# Altium PCB Allwinner_A13_BRD.PcbDoc (part 5 of 5) (continued)
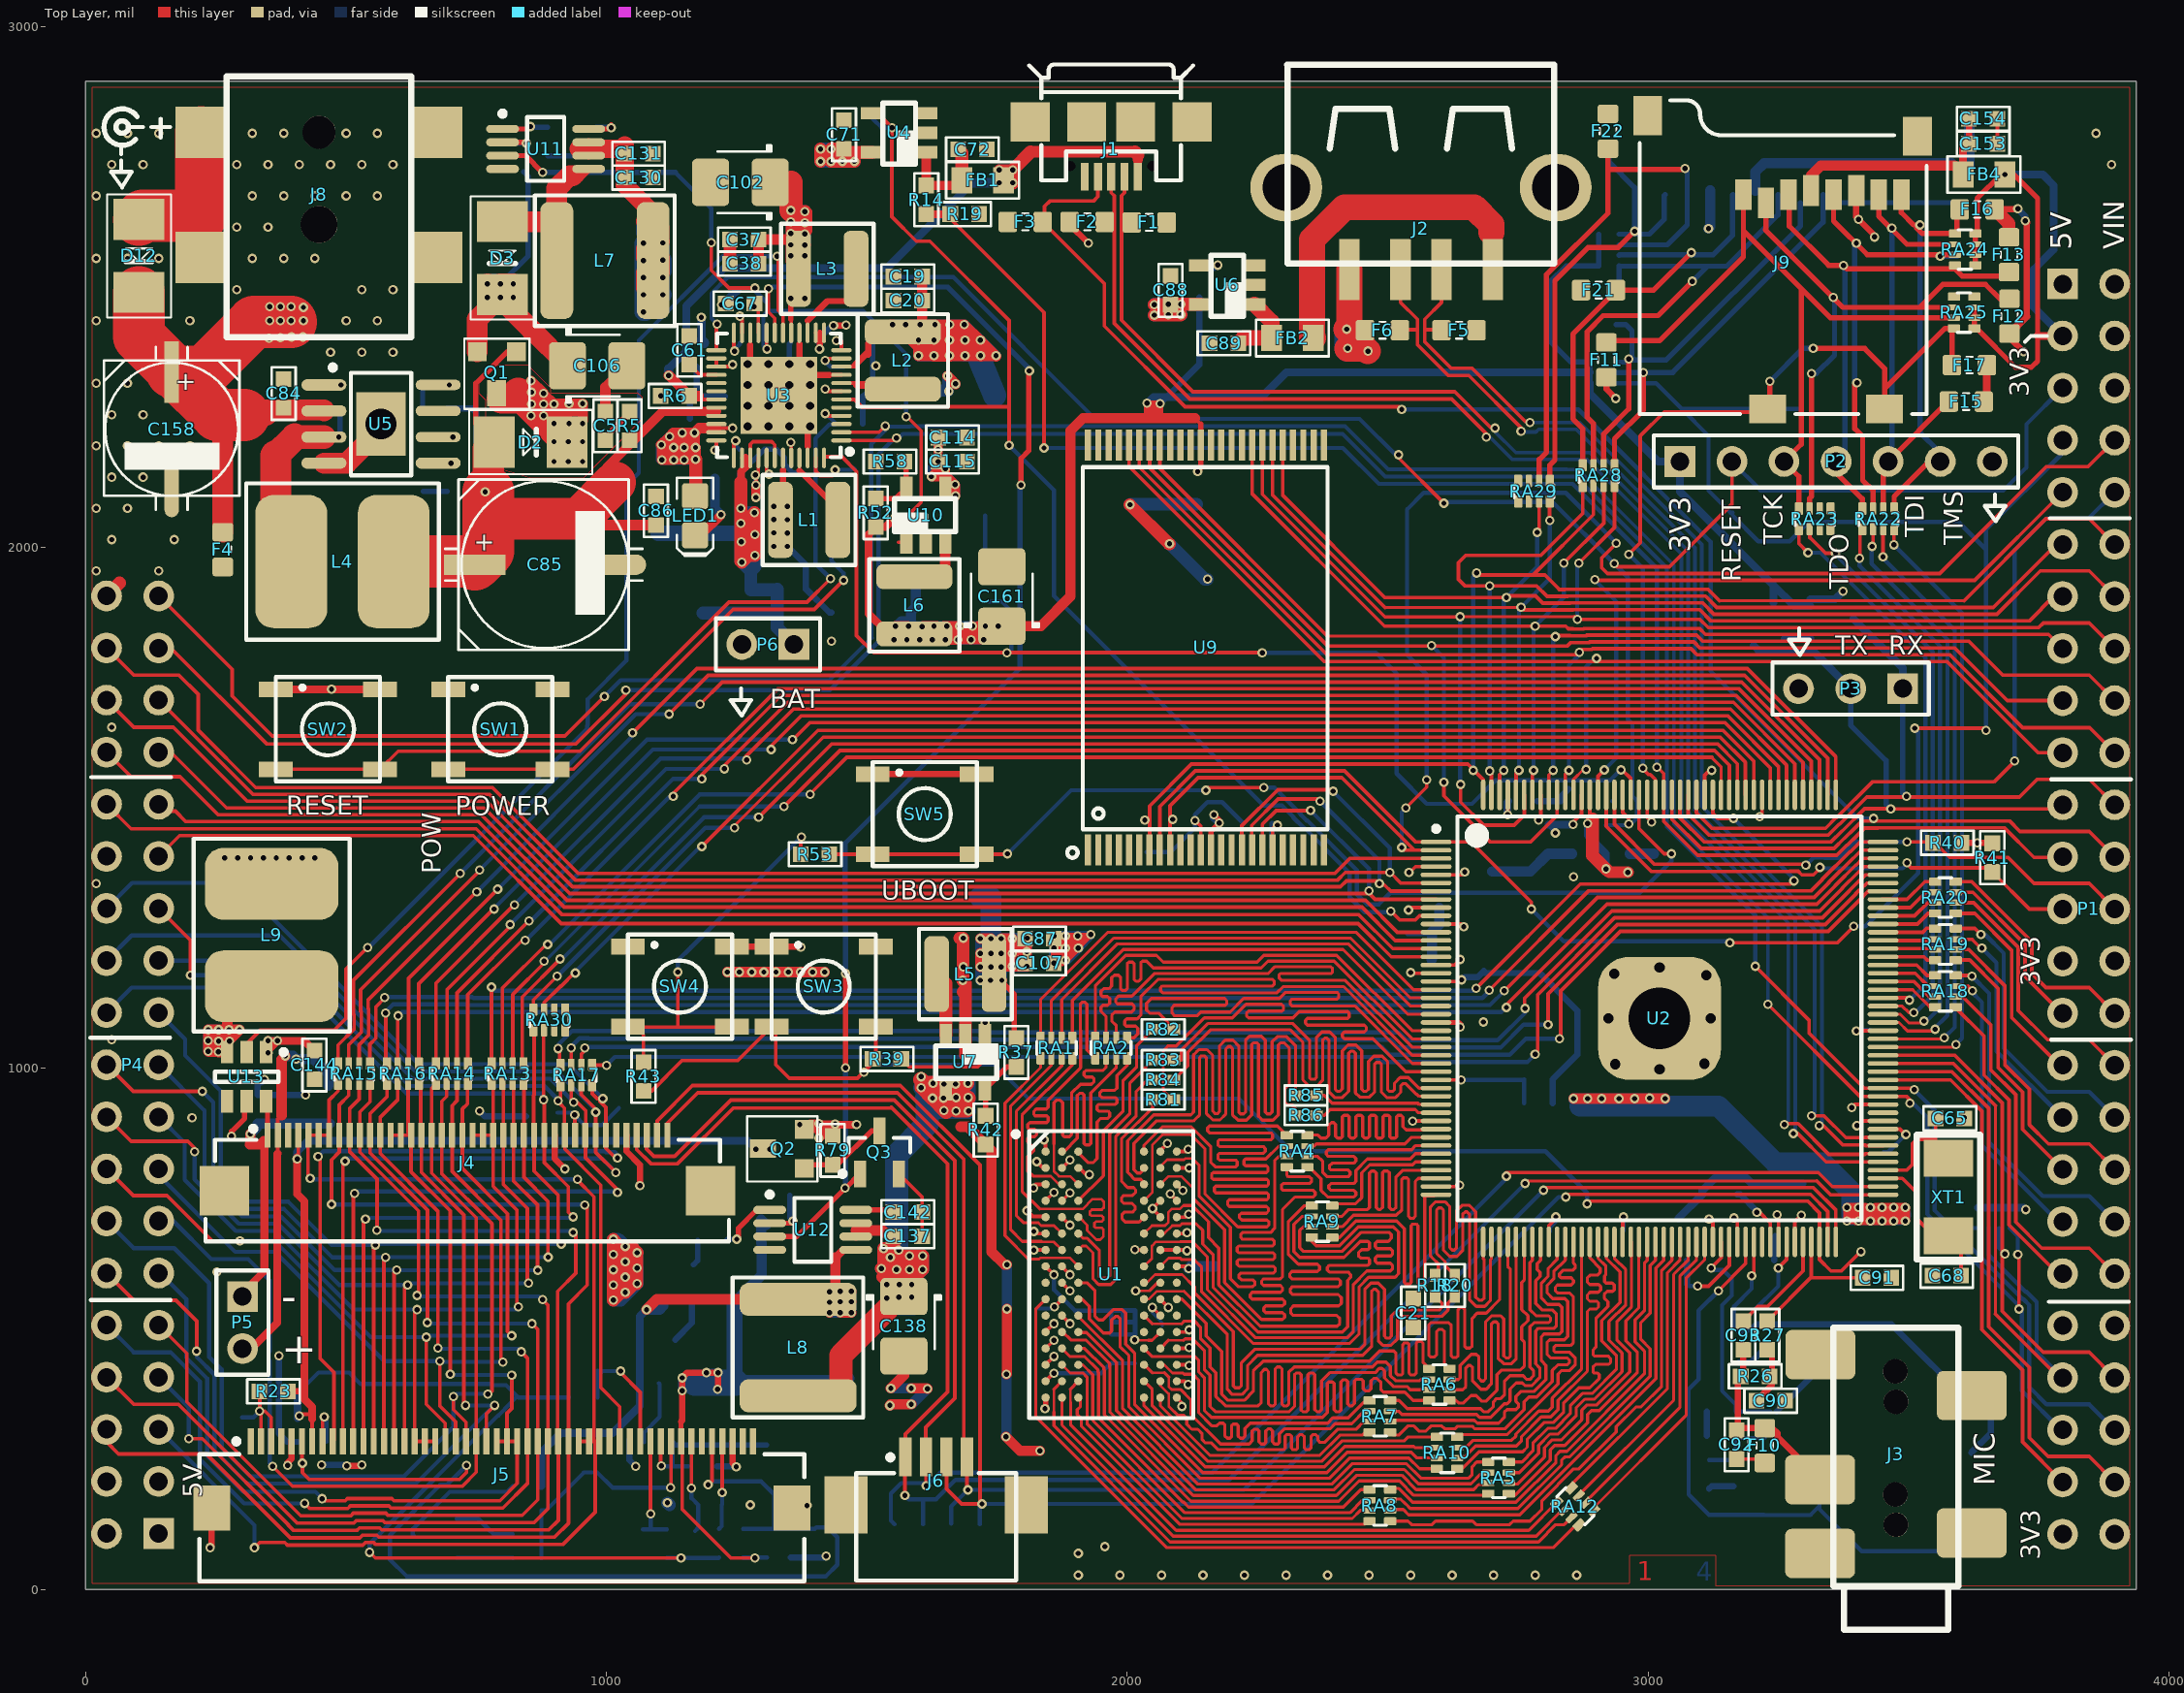
[diagram p0: Top Layer view]
## Nets (pads, with @x,y where several pads share a name; then routed paths per layer and width w, separated by ;. In a path a pad name is that pad's centre, name@x,y a point inside that pad or via, vN(x,y) a via of type N, cw(c..) or ccw(c..) an arc to the next point about the centre after c; other vN are vias at no path point) (continued)
  Top Layer w15: R14.2@1614,2640 R19.1@1654,2640
  Bottom Layer w8: v1(1840,2191) 2414,2191 2483,2122 2854.87,2122 3017,1959.87 v1(3017,1578)
PG2: F3.2 J1.4 P1.24 U2.153 | length 3413.7
  Top Layer w7: J1.4@1943.41,2711.69 1943.41,2673.41 1935,2665 1851,2665 1841,2655 1841,2628.54 F3.2@1837.46,2625 1956,2506.46 1956,2425 2111,2270 2522,2270 v1(2527,2265) ; U2.153@3045.62,1525.13 3045.62,1478.29 3101.91,1422 3356.95,1422 3377.13,1442.18 3377.84,1442.18 3396.24,1460.58 3396.32,1460.58 3410.74,1475 3694,1475 3714,1455 3847,1455 P1.24@3896,1406
  Bottom Layer w8: v1(2527,2265) 2866,2265 3120,2011 3120,1763 3403,1480 v1(3433,1480)
PH: C82.1 L4.1 U5.3 | length 391.4
  Top Layer w45: 401,2212 U5.3@457.35,2212
  Top Layer w52: 365,2176 401,2212
  Top Layer w60: 365,2176 365,1992.57 L4.1@399.57,1958
  Bottom Layer w10: v1(486,2212) 488,2214 C82.1@488,2263
PIN2: U3.5
PIN3: U3.3
PWRON: R12.1 SW1.2 | length 1043.2
  Top Layer w7: SW1.2@696,1574.23 SW1.2@896,1574.23 ; 929.61,1574.23 936.23,1574.23 1243,1881 1399,1881 v1(1455,1937)
  Bottom Layer w8: R12.1@1432,2095 1432,1974 1455,1951 v1(1455,1937)
RESET_N: C70.2 C74.2 P1.5 P2.2 R13.2 U2.159 U3.25 | length 3873.8
  Top Layer w7: U3.25@1210.92,2378.61 1210.92,2427.92 v1(1212,2429) ; v1(2521,2178) 2521,2172 v1(2608,2085) ; v1(2935,1969) 2941,1963 3041,1963 3161,2083 P2.2@3161,2165 ; U2.159@2951.13,1525.13 2951.13,1490.87 2963,1479 v1(2963,1469)
  Bottom Layer w8: v1(1212,2429) 1201.5,2439.5 1201.5,2487.64 1232.86,2519 1666,2519 1938,2247 2446,2247 v1@2517,2176 ; v1(2608,2085) 2610,2087 2817,2087 v1(2935,1969) 2961,1943 2961,1670 2970,1661 2970,1523 C70.2@2979,1514 ; R13.2@2919,1467 2961,1467 v1(2963,1469) 2967,1469 2979,1481 C70.2@2979,1514 ; C70.2@2978,1513 C70.2@2979,1514 ; P2.2@3161,2165 3216,2110 3216,2109 3682,2109 3726.5,2153.5 3726.5,2236.5 P1.5@3796,2306
RESET_SW: R15.2 SW2.2 U3.4 | length 1611.8
  Top Layer w7: SW2.2@365,1574.23 SW2.2@565,1574.23 599.77,1609 949,1609 1235,1895 1385,1895 v1(1430,1940) ; v1@1419,2259 1425.37,2252.63 U3.4@1451.08,2252.63
  Bottom Layer w8: v1@1419,2259 R15.2@1440.5,2237.5 ; v1(1430,1940) 1401,1969 1401,2209 1428,2236 R15.2@1439,2236
  other v1: 1420,2257
SD1: F18.1 J10.1 RA27.7 RA28.1 | length 1052.8
  Top Layer w10: RA28.1@2935.51,2157.69 2935.51,2208.3 2991,2263.79 v1(2991,2336)
  Bottom Layer w10: 2939.69,2336.16 2939.84,2336 v1(2991,2336) 3047.42,2336 3335.97,2624.55 J10.1@3335.97,2677.26 3351.23,2662 3598.54,2662 F18.1@3598.54,2648
SD2: F19.1 J10.2 RA27.6 RA28.2 | length 809.6
  Top Layer w10: RA28.2@2914.84,2157.69 2914.84,2217.84 2963,2266 v1(2963,2362)
  Bottom Layer w10: F19.1@2938.46,2428 2957,2428 2969,2416 2969,2365 2972,2362 ; 2939.69,2355.84 v1@2963,2355.84 ; 2972,2360 3035,2360 3292.66,2617.66 J10.2@3292.66,2661.51
SD3: F20.1 J10.3 RA26.8 RA28.3 | length 977.5
  Top Layer w10: RA28.3@2895.16,2157.69 2895.16,2237.84 2883,2250 2883,2414.37 2913.63,2445 3019,2445 v1(3085,2511)
  Bottom Layer w10: F20.1@2938.46,2494 2944.69,2500.22 2944.69,2540.49 2945.17,2540 3112,2540 ; v1(3085,2511) 3112,2538 3112,2540 ; J10.3@3249.35,2677.26 3249.35,2638.35 3151,2540 3112,2540
SD4: F21.1 J10.5 RA26.7 RA28.4 | length 863.3
  Top Layer w10: RA28.4@2874.49,2157.69 2874.49,2228.27 2855.76,2247 2855.76,2409.76 2940,2494 3011,2494 v1(3083,2566)
  Bottom Layer w10: RA26.7@2944.69,2561.16 2945.53,2562 3125,2562 3162,2599 3162,2676.52 J10.5@3162.74,2677.26
SD5: F22.1 J10.7 RA26.6 RA29.2 | length 1097.6
  Top Layer w10: RA29.2@2790.84,2127.69 2790.84,2168.84 2805,2183 2805,2523.94 2923,2641.94 2923,2726 ; F22.1@2923,2765.54 2923,2726 ; v1(3070.75,2727.67) 3069.07,2726 2923,2726
  Bottom Layer w10: RA26.6@2944.69,2580.84 3036.84,2580.84 3075,2619 3075,2723.42 v1(3070.75,2727.67)
SD6: F23.1 J10.8 RA26.5 RA29.1 | length 907.6
  Top Layer w10: RA29.1@2811.51,2127.69 2811.51,2158.51 2821,2168 2821,2512 2885,2576 2943,2576 v1(2974,2607)
  Bottom Layer w10: F23.1@2925,2767.54 2925,2740 2974,2691 v1(2974,2607) ; RA26.5@2944.69,2601.51 3002.51,2601.51 3031,2630 3031,2675.44 J10.8@3032.82,2677.26
SD_VCC: C153.1 C154.2 FB4.2 J9.4 | length 440.8
  Top Layer w12: C153.1@3616,2782 C154.2@3616,2832
  Top Layer w15: FB4.2@3589,2732 3605,2732 C153.1@3605,2771
  Top Layer w20: J9.4@3312.95,2685.13 3312.95,2713.95 3332,2733 3588,2733 3589,2732 FB4.2@3605,2716
SDC0_CLK: F14.1 J9.5 RA22.3 RA24.7 | length 882.4
  Top Layer w10: J9.5@3356.26,2677.26 3356.26,2626.74 3420.84,2562.16 RA24.7@3589.31,2562.16 RA24.7@3593.31,2562.16 ; v1(3401,2316) 3397,2312 3397,2228 3412,2213 3412,2129 3432.16,2108.84 RA22.3@3432.16,2074.69
  Bottom Layer w10: v1(3400,2584) 3397,2581 3397,2320 v1(3401,2316) ; v1(3561,2559) 3593.54,2559 F14.1@3598.54,2564
SDC0_CMD: F13.1 J9.3 P2.4 RA22.4 RA24.8 | length 996.5
  Top Layer w10: J9.3@3269.65,2677.26 3271,2675.91 3271,2617 3346.51,2541.49 v1(3375,2541.49) 3381.8,2534.69 3589.31,2534.69 3603,2521 3685.46,2521 F13.1@3693,2528.54 ; P2.4@3364,2141 3411.49,2093.51 RA22.4@3411.49,2074.69
  Bottom Layer w10: P2.4@3361,2165 3378,2182 3378,2538.49 v1(3375,2541.49)
SDC0_D0: F15.1 J9.7 P2.5 RA22.2 RA24.6 | length 935.5
  Top Layer w10: P2.5@3437,2162 3451.84,2147.16 RA22.2@3451.84,2074.69 ; J9.7@3442.87,2677.26 3442.87,2636.13 3497.16,2581.84 RA24.6@3593.31,2581.84 ; P2.5@3461,2165 3576,2280 F15.1@3577.54,2280
  Bottom Layer w10: P2.5@3437,2162 3468,2193 v1(3468,2613)
SDC0_D1: F16.1 J9.8 P2.6 RA22.1 RA24.5 | length 805.9
  Top Layer w10: RA22.1@3472.51,2074.69 3472.51,2097.51 P2.6@3537,2162 ; J9.8@3486.18,2677.26 3486.18,2642.82 3510,2619 v1(3522,2619) ; v1@3516,2613 3526.49,2602.51 RA24.5@3589.31,2602.51 3593.31,2602.51 3593.31,2643.78 F16.1@3598.54,2649
  Bottom Layer w10: v1(3522,2619) 3522,2221 3559,2184 P2.6@3537,2162
SDC0_D2: F11.1 J9.1 P2.3 RA23.4 RA25.7 | length 1352.3
  Top Layer w10: F11.1@2936.46,2397 3022,2397 3183,2558 J9.1@3183,2677.23 ; 3183,2608 3294,2497 3294,2198 P2.3@3261,2165 3289.49,2136.51 RA23.4@3289.49,2074.69 ; 3295,2496 3349.84,2441.16 RA25.7@3587.31,2441.16
SDC0_D3: F12.1 J9.2 RA23.3 RA25.6 | length 1109.4
  Top Layer w10: J9.2@3226.34,2661.51 3226.34,2611.34 3225,2610 3374.16,2460.84 3521.84,2460.84 ; RA23.3@3310.16,2074.69 3310,2074.84 3310,2094 3314,2098 v1(3314,2334) ; RA25.6@3587.31,2460.84 3521.84,2460.84 ; F12.1@3694,2477.46 3675.54,2477.46 3648,2505 3566,2505 3521.84,2460.84
  Bottom Layer w10: v1(3314,2334) 3323,2334 3358,2369 3358,2478 v1(3356,2480)
SDC0_DETECT: F17.1 J9.9 J9.10 RA25.8 U2.155 | length 1632.6
  Top Layer w7: v1(2963,1987) 2985,2009 2985,2214 3031,2260 3224.04,2260 J9.10@3229.88,2265.84 ; v1@2992.27,1576 2992.27,1572.73 3000.84,1564.16 3004.11,1564.16 3014.13,1554.14 U2.155@3014.13,1525.13
  Top Layer w10: J9.10@3229.88,2265.84 3234,2269.96 v1(3234,2319) ; v1(3317,2382) 3416,2382 3454.29,2343.71 3454.29,2304.46 ; J9.9@3454.29,2265.84 3454.29,2304.46 ; F17.1@3583.54,2352 3583.54,2416.71 RA25.8@3587.31,2420.49 3570.31,2420.49 3454.29,2304.46
  Bottom Layer w8: v1(2963,1987) 2990,1960 v1(2990,1576)
  Bottom Layer w10: v1(3234,2319) 3297,2382 v1(3317,2382)
SPI1_CLK/UART3_RX: P4.29 U2.13 | length 2561.1
  Top Layer w7: P4.29@140,1507 153,1494 172,1494 192,1474 754.08,1474 918.6,1309.47 2450.53,1309.47 2514.39,1245.61 U2.13@2592.87,1245.61
SPI1_CS0/UART3_TX: P4.32 U2.12 | length 2696
  Top Layer w7: P4.32@40,1607 87,1560 181,1560 254,1487 759.46,1487 923.99,1322.47 2457.53,1322.47 2518.65,1261.35 U2.12@2592.87,1261.35
SPI1_MISO: P4.27 U2.15 | length 2565.9
  Top Layer w7: P4.27@140,1407 180,1447 744.31,1447 913.31,1278 2443,1278 2506.89,1214.11 U2.15@2592.87,1214.11
SPI1_MOSI: P4.30 U2.14 | length 2667.7
  Top Layer w7: P4.30@40,1507 87,1460 749.69,1460 914.69,1295 2444.38,1295 2509.53,1229.86 U2.14@2592.87,1229.86
SVREF: C33.1 C55.2 C81.2 R7.1 R9.1 U2.18 | length 510.9
  Top Layer w7: U2.18@2592.87,1166.87 2638.87,1166.87 v1(2642,1170)
  Bottom Layer w12: v1(2642,1170) 2647,1175 2673,1175 C81.2@2681,1183 ; C81.2@2685,1187 C81.2@2681,1183 ; R7.1@2817,933 2816.82,933.18 2816.82,979.03 2864,1026.21 2864,1111 2792,1183 C81.2@2681,1183
TPX1: C100.2 J4.37 J6.1 U2.89 | length 3592.3
  Top Layer w6: v1@2765,784 3324,784
  Top Layer w7: J4.37@1057.8,871.62 1057.8,844.4 1085.2,817 1136.38,817 1243.38,924 1545.85,924 1546.85,925 1655,816.85 1655,379 1573.94,297.94 J6.1@1573.94,254.4 1573,253.46 v1(1573,180) ; v1(2764,779) 2765,780 v1@2765,784 ; 3324,784 3350.58,757.42 U2.89@3451.13,757.42
  Bottom Layer w8: v1(1573,180) 1580,173 1606,173 ; C100.2@1607.61,125 1607.61,171.39 1606,173 ; v1(2764,779) 2195,210 1670,210 1633,173 1606,173
TPX2: C103.2 J4.39 J6.3 U2.87 | length 3516.2
  Top Layer w6: v1@2844,758 3312,758
  Top Layer w7: J4.39@1097.17,871.62 1097.17,899.17 1165,967 1564.24,967 1717,814.24 1717,168 v1(1721,164) 1682,164 1653,193 1653,254.09 J6.3@1652.69,254.4 ; v1@2844,757.83 v1@2844,758 ; 3312,758 3344.83,725.17 U2.87@3344.83,666.87
  Top Layer w8: v1(2842,753) ccw(c2837.17,757.83) v1@2844,757.83
  Bottom Layer w8: C103.2@1716.82,124.97 1716.82,159.82 v1(1721,164) 2239,164 2828,753 v1(2842,753)
TPY1: C101.2 J4.38 J6.2 U2.90 | length 3608.7
  Top Layer w7: J4.38@1077.49,871.62 1077,871.14 1077,845 1091,831 1130.59,831 1238.59,939 1552.64,939 1669,822.64 1669,367 1613,311 1613,254.72 J6.2@1613.31,254.4 1614,253.72 v1(1614,199) ; v1(2728,793) 2728,800 3327,800 3353.83,773.17 U2.90@3451.13,773.17
  Bottom Layer w8: C101.2@1553,125 1546,132 1546,184 1566,204 1609,204 v1(1614,199) 1616,199 1641,224 2163,224 2728,789 v1(2728,793)
TPY2: C108.2 J4.40 J6.4 U2.88 | length 3372.1
  Top Layer w6: v1@2802,771 3317.38,771
  Top Layer w7: J4.40@1116.86,871.62 1116.86,894.86 1175,953 1558.44,953 1686,825.44 1686,260.46 J6.4@1692.06,254.4 1692.06,192.94 v1(1694,191) ; v1(2799,766) 2802,769 v1@2802,771 ; 3317.38,771 3360.58,727.8 U2.88@3360.58,666.87
  Bottom Layer w8: C108.2@1662,126 1662,159 v1(1694,191) 2224,191 v1(2799,766)
TWI0_SCK: P1.45 P4.37 RA3.5 U2.101 U3.2 | length 5917
  Top Layer w7: P4.37@140,1907 281,1766 281,1715 358,1638 920,1638 v1(996,1714) ; U3.2@1451.08,2221.13 1523.13,2221.13 v1(1535,2233) ; v1(3230,1123) 3406.61,946.39 U2.101@3451.13,946.39 3495.61,946.39 3503,939 v1(3503,933) ; v1(3710,643) 3712,641 v1(3712,538)
  Bottom Layer w7: 2844,2150 2844.5,2149.5 2866.26,2149.5 3049.5,1966.26 3049.5,1469.59 ; 3050.5,1468.59 3230,1289.09 v1(3230,1123)
  Bottom Layer w8: v1(996,1714) 1027,1745 1428,1745 1509,1826 1508,1827 1508,2198 1535,2225 v1(1535,2233) 1536,2232 1582.87,2232 1583.87,2233 2418,2233 2501,2150 2844,2150 ; v1(3503,933) 3509,933 3536,906 3536,720.42 3716.59,539.83 v1@3718,539.83 ; RA3.5@3694.51,693.31 3710,677.83 v1(3710,643) ; v1(3712,538) 3716.17,538 v1@3718,539.83 ; P1.45@3796,306 3793,306 3718,381 v1@3718,539.83
TWI0_SDA: P1.46 P4.35 RA3.8 U2.102 U3.1 | length 5817.6
  Top Layer w7: P4.35@140,1807 163,1807 347,1623 941.62,1623 1037,1718.38 v1(1037,1726) ; U3.1@1451.08,2205.39 1558.39,2205.39 1557,2206.77 v1(1557,2210) ; v1(3206,1196) 3309,1093 3309,1068 3414.86,962.14 U2.102@3451.13,962.14 3507.86,962.14 v1(3511,959)
  Bottom Layer w8: v1(1037,1726) 1428.8,1726 1523,1820.2 1523,1831.8 1522,1832.8 1522,2179 1551,2208 1561,2208 1560,2209 1569,2218 2413.2,2218 2495.2,2136 2860.67,2136 3036,1960.67 3036,1464 3206,1294 v1(3206,1196) ; v1(3511,959) 3550,920 3550,727.63 3587.61,690.02 3587.61,688.61 ; RA3.8@3633.49,693.31 3592.31,693.31 3587.61,688.61 ; P1.46@3896,306 3847,355 3765.38,355 3732,388.38 3732,545.63 3720.63,557 3719.22,557 3587.61,688.61
TWI1_SCK: P1.43 RA3.7 U2.105 | length 1176.6
  Top Layer w6: 3667,528.42 3667,928.5
  Top Layer w7: U2.105@3451.52,1009 U2.105@3451.13,1009.39 3586.11,1009.39 3667,928.5 ; 3667,528.42 3789.42,406 P1.43@3796,406
  Bottom Layer w8: RA3.7@3654.16,693.31 3654.16,641.86 3725.02,571 3726.43,571 3746,551.43 3746,456 P1.43@3796,406
TWI1_SDA: P1.44 RA3.6 U2.106 | length 989.6
  Top Layer w7: U2.106@3451.13,1025.13 3588.75,1025.13 3680,933.88 3680,533.81 3758.81,455 3847,455 P1.44@3896,406
  Bottom Layer w8: RA3.6@3673.84,693.31 3673.84,655.16 v1(3685,644)
TWI2_SCK: P1.25 R41.1 U2.161 | length 1029.1
  Top Layer w7: U2.161@2919.64,1525.13 2919.64,1464.56 3006.2,1378 3271.84,1378 3272.34,1378.5 3288.34,1378.5 3295.34,1371.5 3317.5,1371.5 3330,1384 v1(3330,1386) ; v1(3497,1395) 3497,1393 3505,1385 3653,1385 R41.1@3661,1377 3732,1306 P1.25@3796,1306
  Bottom Layer w8: v1(3330,1386) 3332,1384 3489,1384 3498,1393 3497,1394 v1(3497,1395)
TWI2_SDA: P1.26 R40.1 U2.160 | length 1124.8
  Top Layer w7: U2.160@2935.39,1525.13 2935.39,1468.61 3012,1392 v1@3301,1392 ; v1@3302,1391 v1(3303,1390) ; v1(3497,1435) 3549,1435 R40.1@3551,1437 ; R40.1@3551,1435 3551,1433 3579,1405 3691,1405 3741,1355 3847,1355 P1.26@3896,1306
  Bottom Layer w8: v1(3303,1390) 3318,1405 3337.87,1405 3338.87,1404 3366,1404 3399,1437 3401,1435 v1(3497,1435)
UART1_RX: D10.3 P1.22 P3.1 U2.151 | length 1320.4
  Top Layer w7: U2.151@3077.12,1525.13 3077.12,1487.88 3117,1448 3346.19,1448 3366.36,1468.18 3367.07,1468.18 3419.89,1521 3713,1521 3747,1555 3847,1555 P1.22@3896,1506
  Bottom Layer w10: P3.1@3489,1729 3489,1529 v1(3496,1522)
  Bottom Layer w15: D10.3@3394.34,1863 3489,1768.34 P3.1@3489,1729
UART1_TX: D11.3 P1.21 P3.2 U2.152 | length 1310.8
  Top Layer w7: U2.152@3061.37,1525.13 3061.37,1480.93 3107.3,1435 3351.57,1435 3371.75,1455.18 3372.45,1455.18 3415.78,1498.5 3465.5,1498.5 v1(3466,1498) 3788,1498 P1.21@3796,1506
  Bottom Layer w10: P3.2@3389,1729 3389,1659 3457,1591 3457,1507 v1(3466,1498)
  Bottom Layer w15: D11.3@3203,1811.66 3216.66,1798 3320,1798 P3.2@3389,1729
UBOOT: R53.1 SW5.2 U2.157 | length 1986.1
  Top Layer w7: R53.1@1428,1411 1428.23,1411.23 SW5.2@1511,1411.23 SW5.2@1711,1411.23 1769.23,1411.23 v1(1770,1412) ; v1(2151,1534) 2156,1539 v1(2262,1539) ; U2.157@2982.63,1525.13 2982.63,1460.37 3031,1412 v1(3045,1412)
  Bottom Layer w8: v1(1770,1412) 1892,1534 v1(2151,1534) ; v1(2262,1539) 2282.41,1539 2333,1488.41 2333,1487.13 2344.13,1476 2345.41,1476 2441,1380.41 2441,1334.41 2460.41,1315 2483,1315 2505,1337 2984,1337 3045,1398 v1(3045,1412)
USB0: F2.2 J1.3 U2.94 | length 2961.4
  Top Layer w7: J1.3@1969,2711.69 1969,2681.11 1974.8,2675.31 1974.8,2430.41 2120.2,2285 2623,2285 2689.06,2218.94 v1(2689.06,2212.06) ; v1(3262,892) 3264.03,894.03 3287.97,894.03 3347.1,834.9 3416.35,834.9 3417.61,836.16 U2.94@3451.13,836.16
  Bottom Layer w7: v1@2687.72,2215.1 2693.1,2215.1 2739.2,2169 2882.72,2169 3064,1987.72 3064,1484.38 3269,1279.38 3269,899 v1(3262,892)
USB0-DRV: R17.2 U2.10 U3.6 U4.4 | length 2492.4
  Top Layer w7: U3.6@1451.08,2284.13 1475.87,2284.13 1491,2269 1566.13,2269 1567.13,2270 1772,2270 1773,2269 ; U4.4@1510.03,2833.4 1520.6,2833.4 v1(1548,2806) 1548,2635 1595,2588 1621,2588 1773,2436 1773,2199 1776,2196 v1(1773,2196) ; v1(2506,1302) 2523,1285 2553,1285 2560.85,1292.85 U2.10@2592.87,1292.85
  Bottom Layer w8: R17.2@1512,2822 1528,2806 v1(1548,2806) ; v1(1773,2196) 1859,2110 1859,1907 2261.5,1504.5 2297.12,1504.5 2319,1482.62 2319,1481.33 2338.33,1462 2339.62,1462 2427,1374.62 2427,1328.62 2455.62,1300 2504,1300 v1(2506,1302)
USB0_N: F1.2 J1.2 U2.93 | length 2943.2
  Top Layer w7: J1.2@1994.59,2711.69 1994.59,2681.11 1988.8,2675.31 1988.8,2436.2 2126,2299 2628.8,2299 2696.73,2231.06 ; v1(3278.97,875.03) 3287.17,875.03 3341.79,820.41 U2.93@3451.13,820.41
  Bottom Layer w7: v1(2706.04,2229.04) 2706.04,2221.96 2746,2182 2888.11,2182 3077,1993.11 3077,1491.18 3089.48,1478.71 3089.48,1478 3282.71,1284.77 3282.71,878.77 v1(3278.97,875.03)
USB1: F6.2 J2.3 U2.96 | length 2237.7
  Top Layer w7: F6.2@2523.46,2417 2524.46,2418 2557,2418 ; J2.3@2524.63,2533.52 2524.63,2470.46 2557,2438.09 2557,2418 ; v1(2756,2223) 2756,2230 2656,2330 2616.2,2330 2557,2389.2 2557,2418 ; v1(3314,909) 3337.8,909 3379.8,867 3416.95,867 3417.61,867.65 U2.96@3451.13,867.65
  Bottom Layer w7: v1(2756,2223) 2757.53,2221.47 2784.47,2221.47 2790,2227 2862.2,2227 3090,1999.2 3090,1496.57 3320,1266.57 3320,915 v1(3314,909)
USB1_N: F5.2 J2.2 U2.95 | length 2219.4
  Top Layer w7: J2.2@2603.37,2533.52 2603.37,2470.46 2571,2438.09 2571,2418 ; F5.2@2603.54,2417 2602.54,2418 2571,2418 ; 2763.8,2242 2661.8,2344 2622,2344 2571,2395 2571,2418 ; v1(3329,890) 3337,890 3374,853 3416.51,853 3417.61,851.91 U2.95@3451.13,851.91
  Bottom Layer w7: v1(2772.97,2239.97) 2784.59,2239.97 ; 2784.62,2240 2869,2240 3103,2006 3103,1503.37 3333.71,1272.66 3333.71,894.71 v1(3329,890)
VBAT: C6.2 C10.1 C157.2 P6.1 R4.2 U3.38 U3.39 U3.42 | length 1546.8
  Top Layer w7: U3.38@1260.13,2171.92 1267,2171.92 U3.39@1275.88,2171.92 1276,2172.04 1276,2198 1281,2203 1317,2203 1323.13,2196.87 U3.42@1323.13,2171.92
  Top Layer w15: 1258,2125 1258,2145.13 1267,2154.13 1267,2171.92
  Top Layer w25: 1258,2125 v1(1258,2075) v1(1258,2046) ; v1(1259,2011) 1271,2011 ; v1(1285,1985) 1273,1985 ; v1(1285,2025) v1@1284,2024 ; v1(1258,2046) v1@1263,2046 ; v1(1258,2046) 1258,1974 v1(1260,1972) 1273,1985 ; v1@1263,2046 v1(1284,2067) v1@1284,2024 ; v1@1263,2046 1263,2019 1271,2011 ; 1271,2011 v1@1284,2024 ; 1273,1985 1284,1996 v1@1284,2024
  Bottom Layer w25: C157.2@1185,1874 1321,1874 1328,1881 ; v1(1259,2011) v1@1284,1986 ; P6.1@1360,1814 1328,1846 1328,1881 ; v1(1258,2046) 1277,2027 1279,2025 v1@1284,2025 ; v1(1258,2046) 1258,2027 1258,1974 v1(1260,1972) ; v1(1258,2046) v1(1258,2075) 1266,2067 ; v1(1260,1972) 1277,1955 ; v1(1260,1972) 1276,1972 1285,1963 ; 1266,2067 v1(1284,2067) 1284,2049 ; 1266,2067 1284,2049 ; 1277,1955 C10.1@1277,1919 1327,1919 C6.2@1328,1920 1328,1881 ; 1277,1955 1285,1963 ; v1@1284,1986 v1(1285,1985) ; v1@1284,1986 v1@1284,2025 ; v1@1284,2025 v1(1285,2025) ; v1@1284,2025 1284,2026 1284,2049 ; 1284,2049 1285,2048 v1(1285,2025) ; 1285,1963 v1(1285,1985) ; v1(1285,1985) v1(1285,2025)
  Bottom Layer w30: R4.2@1099,2027 1258,2027 1277,2027 1283,2027 1284,2026 v1(1285,2025)
VDD_RTC: C61.1 U3.28 | length 60.1
  Top Layer w7: C61.1@1159,2351 1178.63,2331.37 U3.28@1210.92,2331.37
VGH: C148.2 D7.A J5.41 R72.2 R73.1 | length 328.7
  Top Layer w7: J5.41@1104.12,283.98 1104.12,237.88 v1(1105,237)
  Bottom Layer w8: v1(1105,237) 1106,236 C148.2@1111,236 1126,236 ; R72.2@1127,282 1127,237 1126,236 ; R73.1@1157,236 1126,236
  Bottom Layer w10: R72.2@1127,282 1132,277 D7.A@1307.45,277
VGL: C152.2 D9.A J5.42 R74.2 R78.1 | length 457.6
  Top Layer w7: v1(1123,195) 1123.8,195.8 J5.42@1123.8,283.98
  Bottom Layer w8: R78.1@875,60 R74.2@875,106 C152.2@875,152 884,152 956.55,224.55 D9.A@972,224.55 ; D9.A@982,224.55 D9.A@1011.55,195 ; D9.A@1015.55,195 v1(1123,195)
VINT: C56.2 U3.26 U3.27 | length 48.4
  Top Layer w7: U3.26@1210.92,2362.87 U3.27@1210.92,2347.12 1238.12,2347.12 v1(1242,2351)
VSENSE: R29.1 R33.2 U5.5 | length 51.4
  Bottom Layer w10: R29.1@648,2163 R33.2@692,2163 ; R33.2@694,2161 700,2161 v1(701,2162)
pads on no net: C69.0 C102.0 C106.0 C112.0 C133.0 C134.0 C138.0 C161.0 F1.0 F2.0 F3.0 F4.0 F5.0 F6.0 F7.0 F8.0 F9.0 F10.0 F11.0 F12.0 F13.0 F14.0 F15.0 F16.0 F17.0 F18.0 F19.0 F20.0 F21.0 F22.0 F23.0 F24.0 J1.10 J1.11 J3.2 J3.4 J3.6 J3.7 J4.35 J5.1 J5.4 J5.45 J5.49 J5.50 J6.MH1 J6.MH2 J7.4 J7.6 J7.7 J8.5 J8.6 LED1.0 P4.28 P4.38 RA1.0 RA2.0 RA3.0 RA4.0 RA5.0 RA6.0 RA7.0 RA8.0 RA9.0 RA10.0 RA12.0 RA13.0 RA14.0 RA15.0 RA16.0 RA17.0 RA18.0 RA19.0 RA20.0 RA22.0 RA23.0 RA23.1 RA23.2 RA23.7 RA23.8 RA24.0 RA25.0 RA25.4 RA25.5 RA26.0 RA27.0 RA27.4 RA27.5 RA28.0 RA29.0 RA29.3 RA29.4 RA29.5 RA29.6 RA30.0 RA30.1 RA30.2 RA30.7 RA30.8 U1.J1 U1.J9 U1.L1 U1.L9 U1.M7 U2.99 U3.29 U3.30 U4.3 U5.7 U6.3 U9.1 U9.2 U9.3 U9.4 U9.5 U9.6 U9.10 U9.11 U9.14 U9.15 U9.20 U9.21 U9.22 U9.23 U9.24 U9.25 U9.26 U9.27 U9.28 U9.33 U9.34 U9.35 U9.38 U9.39 U9.40 U9.45 U9.46 U9.47 U9.48

## Polygon pours and split planes (outlines as drawn)
GND on gnd "Top Layer-No Net" (solid, pour order 102): 24,2883 3921,2883 3921,20 3128,20 3128,66 2966,66 2966,20 24,20
3.3V on power "Top Layer-No Net" (solid, pour order 109): 1460.15,2064.85 1881.59,2061 2483,1442 2483,1214 2526,1171 2529,1168 2614,1168 2671,1168 2676,1173 2676,1285.7 2676,1294 2795,1413 3038,1413 3038,1516 3240,1516 3267,1489 3267,1226 3046.73,923.27 2724,923.27 2655,1099 2500,1099 2196.79,1379 1693.38,1377.38 1628,1312 1628,1090.75 1556.25,1090.75 1514.75,1049.25 1514.75,878 1481,844.25 1377.25,844.25 1343.5,878 1343.5,1036.5 1100.29,1279.71 1100.29,1705
1.2V_CPU on power "Top Layer-No Net" (solid, pour order 107): 1504,2397 1504,2422 1526,2444 1529,2447 1818,2447 2025.87,2239.13 2028,2237 2633,2237 3038,1832 3038,1532.02 3038,1414 2796,1414 2676,1294 2676,1173 2533,1173 2480,1226 2483,1229 2481.58,1466.42 1902,2046 1727,2046 1763.5,2085.5 1763.5,2184.5 1689,2259 1504,2259
3.3V on power "Top Layer-No Net" (solid, pour order 111): 3259,2007 3259,2337 3329,2407 3332,2410 3500,2410 3500,2454 3907.39,2454 3908.64,15 3127,15 3127,65 2964,65 2964,19 21,19 21,967.5 317.5,967.5 554,731 894,731 1490,515.46 1724.62,515.46 1724.62,386.62 1793,318.25 2197.75,318.25 2529,649.5 3116.5,649.5 3141,674 3141,817 3445,817 3445,907 3354.33,907 3352.5,908.83 3352.5,967.5 3520,1135 3520,1746
1.2V_INT on power "Top Layer-No Net" (solid, pour order 106): 1288,2600 1346,2658 1405,2658 1911,2658 1975,2594 1975,2444 2030,2389 2209,2389 2301,2481 2301,2658 3240,2658 3307.67,2658 3508.37,2410 3325.91,2410 3259,2343.09 3259,2216 3521,1954 3521,1136 3352.5,967.5 3352.5,907 3445,907 3445,817 3141,817 3141,684 3009,684 3009,811 2493,811 2493,923 2749,923 2876,923 3044,923 3267,1226 3267,1489 3240,1516 3038,1516 3038,1829 2630,2237 2073,2237 2028,2237 1825,2440 1818,2447 1335,2447 1288,2494 1288,2598
+5V on power "Top Layer-No Net" (solid, pour order 105): 1010,2211 887,2088 620,2088 620,2615 830,2825 835,2820 2223,2820 3707,2820 3867.5,2659.5 3867.5,2455 3472.39,2455 3305.19,2659.5 2310.82,2659.5 2310.82,2474.18 2223,2386.35 2027.35,2386.35 1973.71,2440 1973.71,2600.71 1914.91,2659.5 1341.33,2659.5 1290,2600.71 1010,2600.71
1.5V on power "Top Layer-No Net" (solid, pour order 112): 2975,811 2986,811 3009,788 3009,664 2998,653 2546,653 2226,333 1788,333 1738,383 1731,390 1731,1085.5 1663.5,1085.5 1631,1118 1631,1312 1665,1346 1694.88,1375.88 2204.7,1375.88 2223.1,1375.88 2499.71,1099.27 2660,1099.27 2724,923 2493,923 2493,811
IPSOUT on power "Top Layer-No Net" (solid, pour order 103): 1010,2603 1303,2603 1303,2466 1336,2433 1461,2433 1486,2433 1502,2417 1504,2415 1504,2257 1691,2257 1747,2201 1747,2063 1688,2063 1435,2063 1101,1729 1101,1230 1245.5,1085.5 1344,992.14 1344,883 1374.43,852.57 1478.43,852.57 1502,876.15 1502,992.14 1502,1068 1522,1088 1731,1088 1731,676 1731,514 1478.48,514 899.56,720 560,720 413,867 316,964 282,964 171,964 171,1991 254,2074 873,2074 1010,2211 1010,2521
+5V on Top Layer "Top Layer-No Net" (solid, remove dead copper, pour order 104): 855,2134 956,2134 992,2170 1069,2247 1069,2283 1069,2288 1060,2297 1059,2296 893,2296 893,2306 849,2350 786,2350 774,2338 754,2318 754,2297 767,2284 767,2237 767,2160
GND on Top Layer "Top Layer-No Net" (solid, pour order 108): 12,2883 12,12 2965,12 2965,66 3130,66 3130,7 3925,7 3925,2883
GND on Bottom Layer "Top Layer-No Net" (solid, pour order 110): 13,2883 3925,2883 3925,7 3125,7 3125,64 2966,64 2966,12 13,12
no net on Bottom Solder "Top Layer-No Net" (solid): 1401,2365 1401,2220 1259,2220 1259,2365 1401,2365
no net on Bottom Solder "Top Layer-No Net" (solid): 3145,1179 3110,1214 2936,1214 2904,1182 2904,1004 2929,979 3114,979 3145,1010

## Other copper
Top Layer:
  text "1" at 2979,17 h36
power:
  text "2" at 3008,16 h36
gnd:
  text "3" at 3053,16 h36
Bottom Layer:
  text "4" at 3092,16 h36

## Silkscreen, mask and mechanical layers (free items; w line width, h text height)
Top Overlay:
  circle w10: c70,2807 r12
  lines w7.5: 48.43,2721 69.74,2691.16 87.86,2721 ; 68,2722 68,2743 ; 68,2755 68,2769 ; 1238.43,1707 1259.74,1677.16 1277.86,1707 ; 1258,1708 1258,1729 ; 3270.43,1823 3291.74,1793.16 3309.86,1823 ; 3290,1824 3290,1845 ; 3646.43,2080 3667.74,2050.16 3685.86,2080 ; 3666,2081 3666,2102
  lines w8: 9,1059 162,1059 ; 10,555 163,555 ; 11,1559 164,1559 ; 48.43,2721 87.86,2721 ; 83,2807 110,2807 ; 126,2807 162,2807 ; 144,2787 144,2823 ; 1238.43,1707 1277.86,1707 ; 3270.43,1823 3309.86,1823 ; 3646.43,2080 3685.86,2080 ; 3724,2395 3735,2406 3765,2406 ; 3770,552 3923,552 ; 3772,2056 3925,2056 ; 3774,1055 3927,1055 ; 3774,1555 3927,1555
  lines w10: 95.9,2783.46 cw(c70,2807) 98.67,2827.07
  text "VIN" at 3914,2572 h40 r90
  text "5V" at 3813,2571 h40 r90
  text "3V3" at 3731,2289 h36 r90
  text "TDI" at 3530,2019 h36 r90
  text "TCK" at 3258,2005 h36 r90
  text "TMS" at 3604,2004 h36 r90
  text "3V3" at 3080.98,1990 h40 r90
  text "RESET" at 3178,1934 h36 r90
  text "TDO" at 3385,1920 h36 r90
  text "TX" at 3359,1794 h36
  text "RX" at 3462,1794 h36
  text "BAT" at 1314,1692 h36
  text "RESET" at 385,1487 h36
  text "POWER" at 710,1486 h36
  text "POW" at 682,1373 h36 r90
  text "UBOOT" at 1528,1324 h36
  text "3V3" at 3752,1157 h36 r90
  text "-" at 376,533 h60
  text "+" at 376,433 h60
  text "MIC" at 3666,199 h40 r90
  text "5V" at 223,176 h36 r90
  text "3V3" at 3752,56 h36 r90
Bottom Overlay:
  lines w8: 9,1559 162,1559 ; 10,555 163,555 ; 11,1059 164,1059
  text "28V Max" at 584,2694 h40
  text "ttyMAY" at 965,1927 h40
  text "Designed By:" at 965,1860 h40
  text "Gaurav Singh" at 965,1798 h40
  text "www.CircuitValley.com" at 964,1744 h40
  text "1516" at 786,1677 h40
  text "V1.0" at 964,1676 h40
  text "HP" at 3334,24 h40 r90
Mechanical 27:
  the board outline again, w1

## Text inside footprints (layer, text, board x,y; h text height)
C85: Top Overlay "+" at 745.19,1994.56 h35
C158: Top Overlay "+" at 177.8,2337.24 h35 r270